# Altium PCB HYDRA_V4_POWER.PcbDoc (part 1 of 2) (continued)
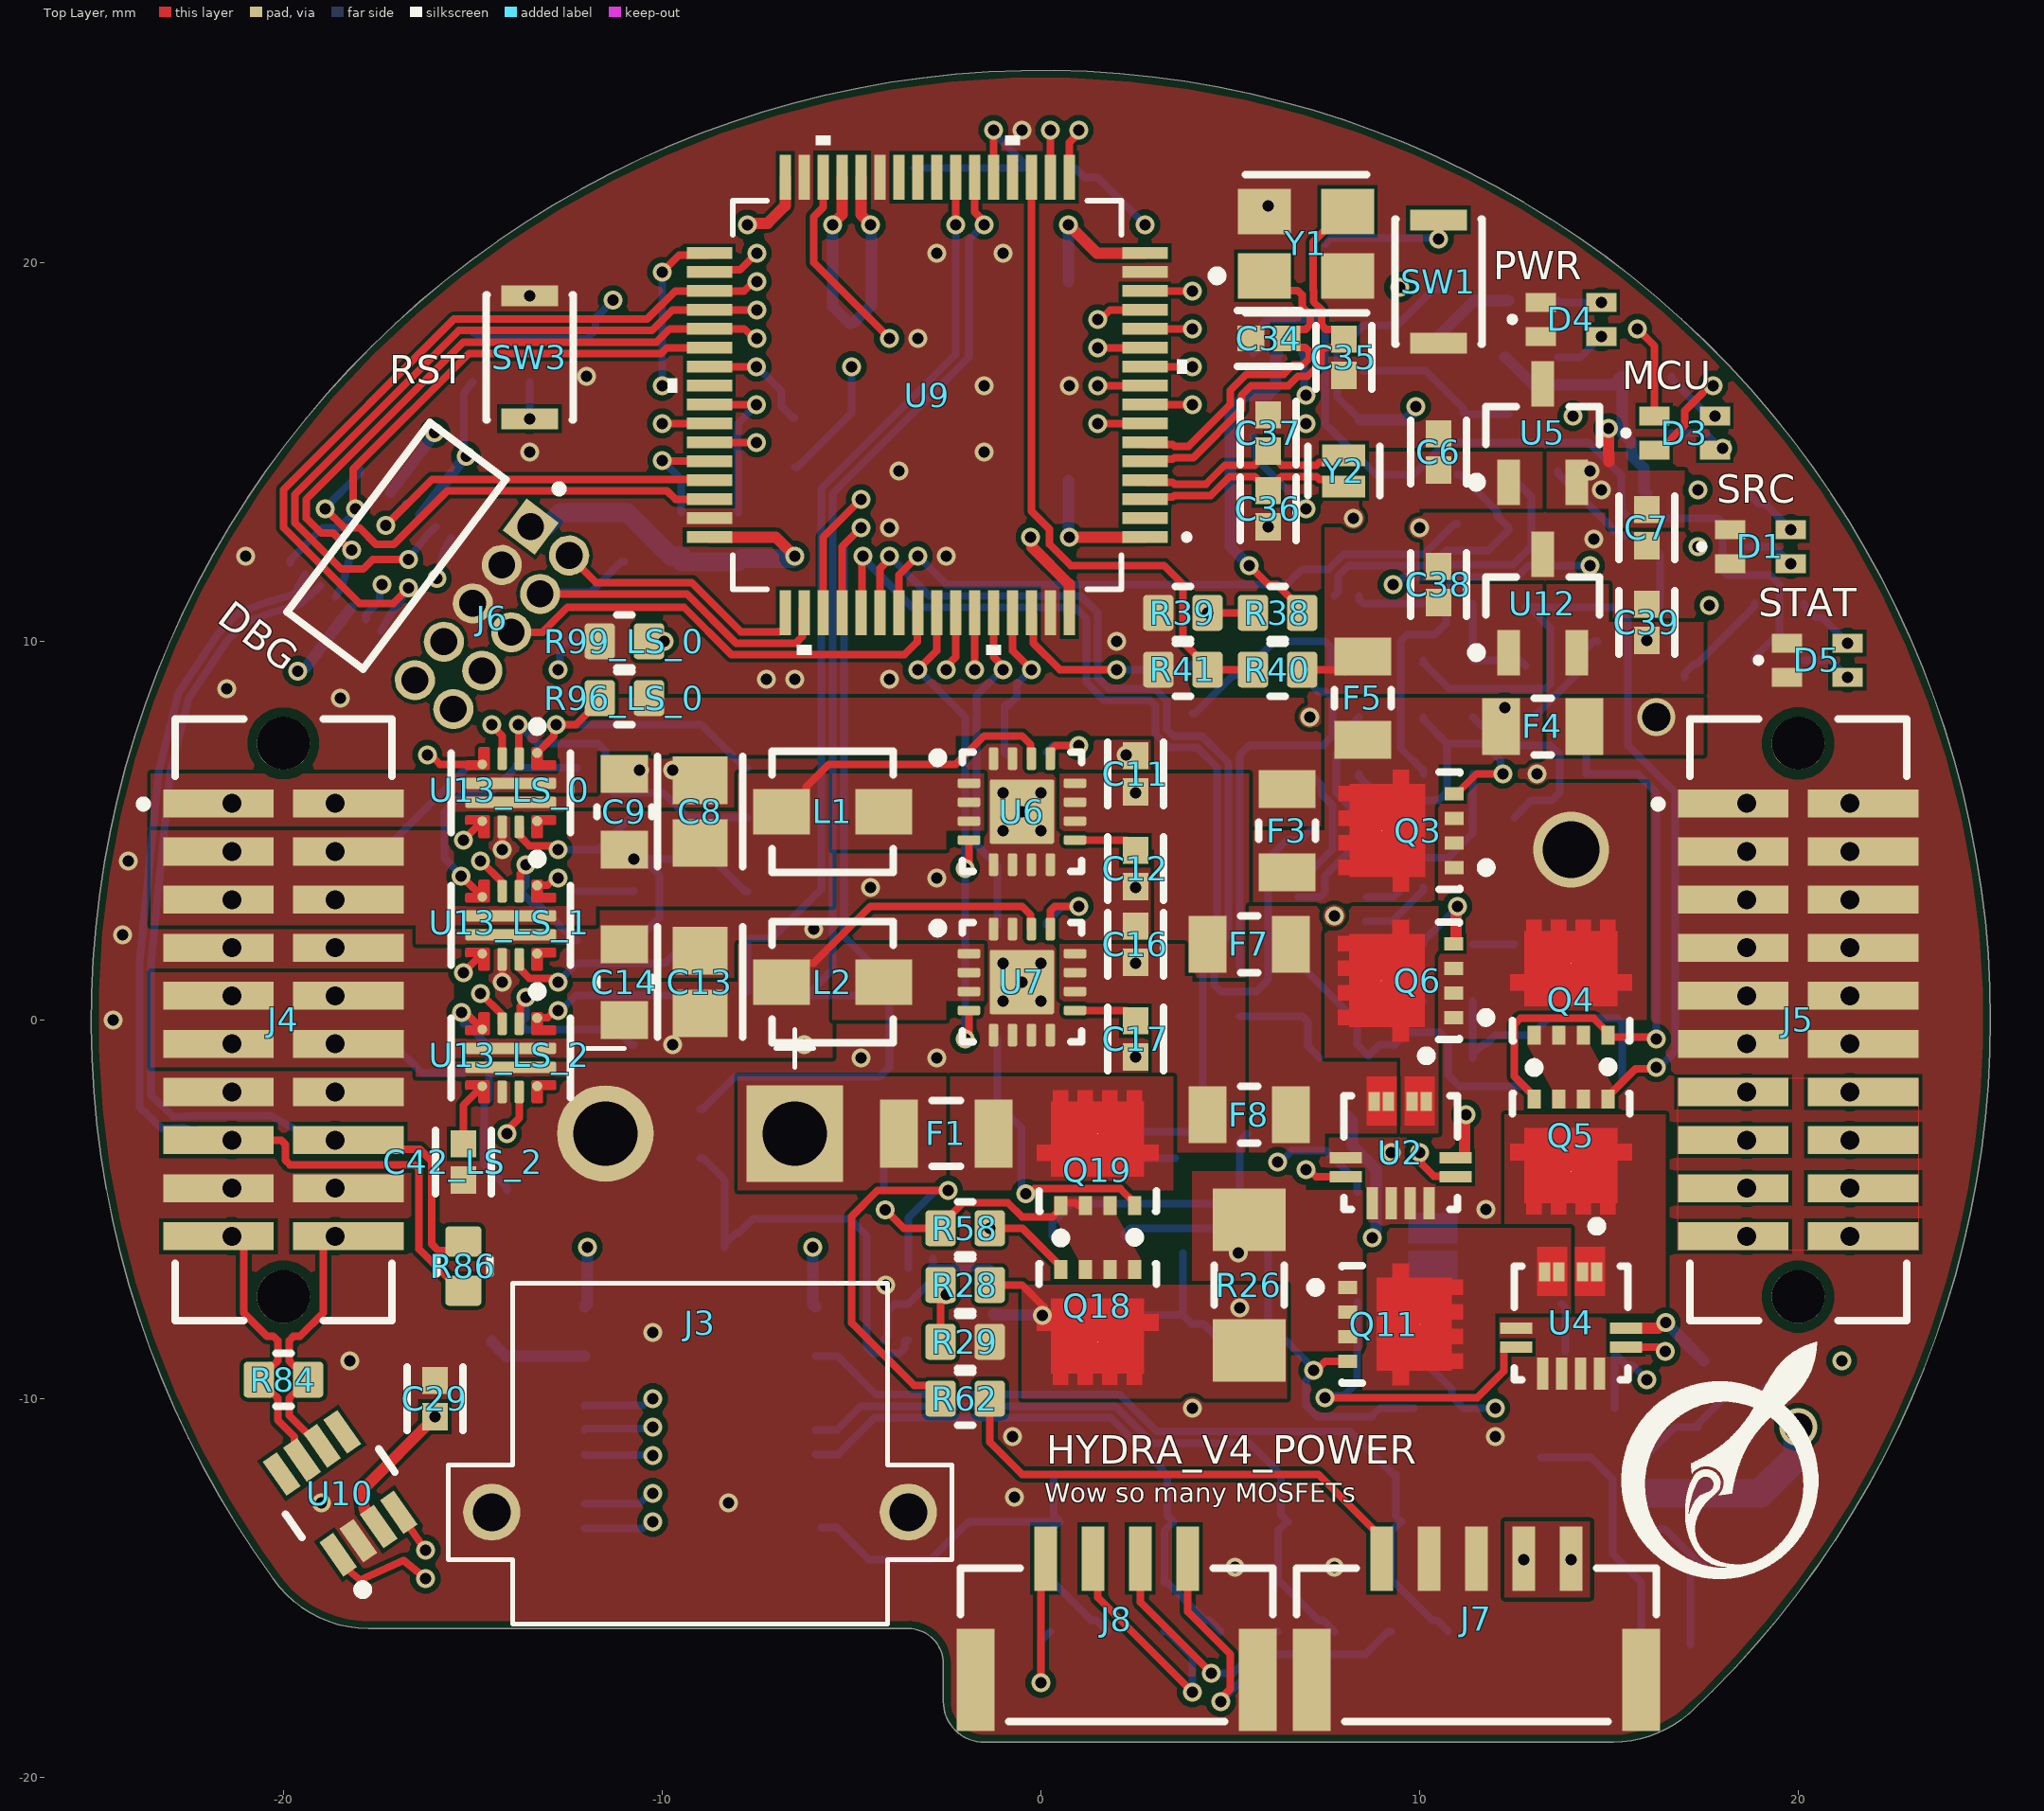
[diagram p0: Top Layer view]
## Part data (continued)
F4: library part CMP-00227-00673855-1, Ambient Temperature Range High=85°C, Case Code (Imperial)=0805, Case Code (Metric)=2012, Current Rating=100A, Hold Current=100mA, Max Power Dissipation=500mW, Max Voltage Rating (DC)=15V, Maximum Resistance 1 Hour (R1max)=6Ω, Min Operating Temperature=-40°C, Minimum Resistance Initial (Rmin)=1Ω, Trip Current=300mA, Approvals="TUV, cULus", Case/Package=0805, Height=1mm, Lead Free="Lead Free", Length=2.2mm, Lifecycle Status=Production, Max Current Rating=100A, Max Operating Temperature=85°C, Mount="Surface Mount", NexarPartId=673855, Operating Supply Voltage=15V, Packaging="Cut Tape", Power Dissipation=500mW, REACH SVHC="No SVHC", Resistance=6Ω, RoHS=Compliant, Terminal Material=Copper, Termination=SMD/SMT, Time to Trip=1.5s, Voltage Rating=15V, Voltage Rating (DC)=15V, Width=1.5mm, Working Voltage=15V
F5: library part CMP-16043-000017-1, "PTC RESET FUSE 15V 100MA 0805", Case Code (Imperial)=0805, Case Code (Metric)=2012, Hold Current=100mA, Max Current Rating=100A, Package Quantity=1, Trip Current=300mA, Case/Package=0805, Lead Free="Lead Free", Packaging="Tape and Reel", RoHS Compliant=Yes, Time to Trip=1.5s
F7 F8: library part CMP-07400-000013-1, Ambient Temperature Range High=+85°C, Ambient Temperature Range Low=-40°C, Current Rating=40A, Hold Current=0.5A, Manufacturer="Bourns Inc.", Manufacturer Part Number=MF-PSMF050X-2, Package=MF-PSMF, Resistance=0.15-0.9Ω, Temperature="-40°C to +85°C", Trip Current=1A, Voltage Rating=6V, Automotive=Yes, Category=Fuse, ComponentLink2Description=Datasheet, ComponentLink2URL=https://www.bourns.com/docs/product-datasheets/mfpsmf.pdf?sfvrsn=9c05cafe_24, Device Class L1="Circuit Protection", Device Class L2="PTC Resettable Fuses", Device Class L3=unset, Digikey Description="PTC RESET FUSE 6V 500MA 0805", Height=0.85mm, Lead Free=Yes, Mouser Description="Resettable Fuses - PPTC .50A 6V 0.15ohm Hold .5 Trip 1", Octopart=https://octopart.com/mf-psmf050x-2-bourns-7483438, RoHS=TRUE, Temperature Range High=+85°C, Temperature Range Low=-40°C, Trip Time=0.1s
FB1: library part CMP-0686-00252-4, "Chip Ferrite Bead, 0402, 600Ω @ 100MHz, 0.23Ω, 25%, 900mA", Case Code (Imperial)=0402, Case Code (Metric)=1005, Current Rating=900mA, DC Resistance (DCR)=230mR, Max Operating Temperature=125°C, Min Operating Temperature=-55°C, Package Quantity=10000, Test Frequency=100MHz, Tolerance=25%, Case/Package=0402, Height=0.5mm, Impedance=600R, Lead Free="Lead Free", Length=1mm, Material=Steel, Max Current Rating=900mA, Max DC Current=900mA, Number of Circuits=1, Number of Lines=1, Number of Pins=2, Packaging="Tape and Reel", Termination=SMD/SMT, Width=0.5mm
J1 J2: library part CMP-002-00043-1, "Board Connector, 20 Contact(s), 2 Row(s), Female, Straight, 0.05 inch Pitch, Surface Mount Terminal, Locking, Black Insulator, Socket", Connector Type="BOARD CONNECTOR", Mounting Technology=Board, RoHS Compliant=Yes
J3: library part CMP-002-00064-1
J4 J5: library part CMP-002-00042-3, "Board Connector, 20 Contact(s), 2 Row(s), Male, Straight, Surface Mount Terminal", Connector Type="BOARD CONNECTOR", Mounting Technology=Board, RoHS Compliant=Yes
J6: library part CMP-002-00041-5, "Board Connector, 10 Contact(s), 2 Row(s), Male, Right Angle, 0.05 inch Pitch, Surface Mount Terminal, Locking, Black Insulator", Connector Type="BOARD CONNECTOR", Mounting Technology=Board, RoHS Compliant=Yes
J7: library part CMP-002-00081-1, "Connector Header, GH Series, 5 Position, 1.25mm, Surface Mount, Right Angle, Tin, Natural"
J8: library part CMP-002-00080-1, "Conn Shrouded Header HDR 4 POS 1.25mm Solder RA SMD Reel"
L1 L2: library part CMP-02424-000689-1, "FIXED IND 2.2UH 3A 46 MOHM SMD", Case/Package=1212, Current Rating=3A, DC Resistance (DCR)=46mR, Inductance=2.2uH, Inductance Tolerance=20%, Max Operating Temperature=125°C, Min Operating Temperature=-55°C, Package Quantity=3000, Saturation Current=3.3A, Self Resonant Frequency=55MHz, Test Frequency=100kHz, Contact Plating=Tin, Core Material=Metal, Depth=3.2mm, Height=2mm, Height - Seated (Max)=0.079inch, Lead Free="Lead Free", Length=3.6mm, Max DC Current=3A, Military Standard=Not, Mount="Surface Mount", Number of Pins=2, Packaging="Tape and Reel", Radiation Hardening=No, Rated Current-Max=3A, RMS Current (Irms)=3A, RoHS Compliant=Yes, Series=IHLP-1212BZ-11, Shielding=Shielded, Termination=SMD/SMT, Tolerance=20%, Width=3mm
Q1 Q2 Q3 Q4 Q5 Q6 Q11 Q18 Q19: library part CMP-013-00018-2, "Trans MOSFET P-CH 20V 22.1A 8-Pin PowerPAK 1212 EP T/R", Component Type=Standard, Design Item ID=CMP-013-00036-4, Pins=5, Source=SISH615ADN-T1-GE3.SchLib
Q7 Q8 Q13 Q14: library part CMP-2000-06170-1, "P-Channel Enhancement Mode MOSFET, 310 mW, 20 V, -55 to 150 degC, 3-Pin SOT-323, RoHS, Tape and Reel", Drain-Source On Resistance-Max=750mO, Drain-to-Source Voltage [Vdss]=20V, Manufacturer="Diodes Inc", Package Description="3-Pin Small Outline Transistor, Body 2 x 1.25 mm, Pitch 0.65 mm", Package Reference=SOT323, Rated Power Dissipation=310mW, Channel Type=P-Channel, Datasheet URL=http://www.diodes.com/_files/datasheets/ds31861.pdf, Datasheet Version="Rev. 3-2, 09/2013", Manufacturer URL=http://www.diodes.com/, Mounting Technology=SurfaceMount, Qg Gate Charge=0.622nC
Q9 Q10 Q16: library part CMP-35916-000009-1, "MOSFET 2N-CH 60V 0.3A", Continuous Drain Current (ID)=300mA, Drain to Source Voltage (Vdss)=60V, Input Capacitance=40pF, Max Power Dissipation=285mW, FET Type="2 N-Channel", Mount="Surface Mount", Packaging="Tape and Reel", Rds On Max=1.5R
Q12: library part CMP-2000-05968-1, "N-Channel Enhancement Mode Mosfet, 50 V, 200 mA, -55 to 150 degC, 6-Pin SOT-323, RoHS, Tape and Reel", Id - Continuous Drain Current=200mA, Manufacturer=DiodesIncorporated, Maximum Operating Temperature=+150C, Minimum Operating Temperature=-55C, Package / Case=SOT-323-3, Package Description="3-Pin Small Outline Transistor, Body 2 x 1.25 mm, Pitch 0.65 mm", Package Reference=SOT323, Pd - Power Dissipation=200mW, Rds On - Drain-Source Resistance=1.4Ohms, Vds - Drain-Source Breakdown Voltage=75V, Vgs - Gate-Source Voltage=20V, Brand=DiodesIncorporated, Channel Mode=Enhancement, Configuration=Single, Datasheet URL=http://www.diodes.com/_files/datasheets/ds30206.pdf, Datasheet Version="Rev. 11-2, 09/2013", Factory Pack Quantity=3000, Forward Transconductance - Min=0.1S, Height=1mm, Length=2.2mm, Manufacturer URL=http://www.diodes.com/, Mounting Style=SMD/SMT, Mounting Technology=SurfaceMount, Number of Channels=1Channel, Packaging=Reel, Product=MOSFETSmallSignal, Product Category=MOSFET, RoHS=True, Series=BSS138, Technology=Si, Transistor Polarity=N-Channel, Transistor Type=1N-Channel, Type=EnhancementModeFieldEffectTransistor, Typical Turn-Off Delay Time=20ns, Typical Turn-On Delay Time=20ns, Unit Weight=0.000212oz, Width=1.35mm
Q15: library part CMP-2000-04939-1, "Dual N & P-Channel 2.5 V Specified PowerTrench(TM) MOSFET, -55 to 150 degC, 6-Pin SOT-23, RoHS, Tape and Reel", Manufacturer=Fairchild, Maximum Continuous Drain Current=2.7@NChannel, Maximum Drain Source Voltage=20V, Maximum Gate Source Voltage=±8V, Operating Temperature=-55to150degC, Package=6SuperSOT, Package Description="6-Pin Small Outline Transistor, Body 2.9 x 1.6 mm, Pitch 0.95 mm", Package Reference=SOT23-6, Package Version="Rev. 5, 05/2015", Category=MOSFET, Channel Mode=Enhancement, Channel Type=N, Datasheet URL=https://www.fairchildsemi.com/datasheets/FD/FDC6327C.pdf, Datasheet Version="Rev. E, 07/2000", Manufacturer URL=https://www.fairchildsemi.com/, Mounting=SurfaceMount, Package URL=https://www.fairchildsemi.com/package-drawings/MA/MA06A.pdf, Packaging=Tape&Reel, Rad Hard=No, RDS-on=80@4.5V@NChannel, Typical Fall Time=3@NChannel, Typical Rise Time=9@NChannel, Typical Turn-Off Delay Time=12@NChannel, Typical Turn-On Delay Time=5@NChannel
R1 R2 R3 R4 R5 R6 R7 R8 R9 R10 R11 R12 R13 R14 R15 R16 R17 R18 R19 R20 R21 R22 R23 R24 R25 R27 R28 R29 R30 R31 R32 R33 R34 R35 R36 R37 R38 R39 R40 R41 R42 R43 R45 R46 R47 R48 R49 R51 R52 R53 R54 R55 R56 R57 R58 R59 R60 R61 R62 R63 R64 R65 R66 R67 R68 R69 R70 R71 R72 R73 R74 R75 R76 R83 R84 R85 R86 R87 R88 R89 R93 R95 R96_LS_0 R96_LS_1 R96_LS_2 R97_LS_0 R97_LS_1 R97_LS_2 R98_LS_0 R98_LS_1 R98_LS_2 R99_LS_0 R99_LS_1 R99_LS_2 R100_LS_0 R100_LS_1 R100_LS_2 R101_LS_0 R101_LS_1 R101_LS_2 R102_LS_0 R102_LS_1 R102_LS_2: library part CMP-009-00002-14, "Resistor"
R26: library part CMP-2003-04373-2, "RES 0.01 OHM 1% 1W 1206", Case Code (Imperial)=1206, Case Code (Metric)=3216, Max Operating Temperature=170°C, Max Power Dissipation=1W, Min Operating Temperature=-65°C, Package Quantity=1, Resistance=10mR, Resistance Tolerance=1%, Resistor Type="Metal Strip", Temperature Coefficient=75ppm/°C, Case/Package=1206, Construction=Rectangular, Contact Plating=Tin, Depth=1.6mm, Features="Moisture Resistant", Height=0.035inch, Lead Free="Lead Free", Length=3.2mm, Military Standard=Not, Mount="Surface Mount", Number of Pins=2, Number of Terminations=2, Packaging="Tape and Reel", Power Rating=1W, Radiation Hardening=No, RoHS Compliant=Yes, Series=WSLP, Size Code=1206, Termination=SMD/SMT, Tolerance=1%, Weight=0.000571oz, Width=0.063inch
SW1 SW3: library part CMP-10040-000029-1, "SWITCH TACTILE SPST-NO 0.02A 15V", Current Rating=5A, Flammability Rating="UL94 V-0", Insulation Color=Black, Max Operating Temperature=85°C, Min Operating Temperature=-40°C, Operating Force=240gf, Actuator Type=Standard, Connector Type=USB, Contact Plating=Gold, Gender=Receptacle, Illumination Type=Non-Illuminated, Mechanical Life=500000Cycles, Mount="Surface Mount", Number of Contacts=24, Number of Ports=1, Packaging="Tape and Reel", Switch Function=Off-Mom, Switch Travel=0.13mm, Termination=Solder, Throw Configuration=SPST
U1 U2: library part CMP-1557-00001-1, "Hall Effect Linear Current Sensor with Overcurrent Fault Output for <100 V Isolation Applications, 3 to 5.5 V, -15.5 to 15.5 A IP, -40 to 125 degC, 12-Pin QFN (EX), RoHS, Tape and Reel", Temperature Max="125 degC", Temperature Min="-40 degC", -3db Bandwidth="0.1 MHz", ComponentLink1Description="Manufacturer URL", ComponentLink1URL=http://www.allegromicro.com/, ComponentLink2Description=Datasheet, ComponentLink2URL=http://www.allegromicro.com/~/media/Files/Datasheets/ACS711-Datasheet.ashx?la=en, ComponentLink3Description="Package Specification", ComponentLink3URL=http://www.allegromicro.com/~/media/Files/Datasheets/ACS711-Datasheet.ashx?la=en, DatasheetVersion="Rev. 3", IP Max="15.5 A", IP Min="-15.5 A", Mounting Technology="Surface Mount", PackageDescription="12-Pin Quad Flat No-Lead, Body 3 x 3 mm, Height 0.8 mm", Packing="Tape and Reel", PartNumber=ACS711KEXLT-15AB-T, RoHS=TRUE, VCC Max="5.5 V", VCC Min="3 V"
U3: library part CMP-04896-000098-1, "40V, RAIL-TO-RAIL INPUT, PUSH-PU"
U4: library part CMP-1557-00002-1, "Hall Effect Linear Current Sensor with Overcurrent Fault Output for <100 V Isolation Applications, 3 to 5.5 V, -31 to 31 A IP, -40 to 125 degC, 12-Pin QFN (EX), RoHS, Tape and Reel", Temperature Max="125 degC", Temperature Min="-40 degC", -3db Bandwidth="0.1 MHz", ComponentLink1Description="Manufacturer URL", ComponentLink1URL=http://www.allegromicro.com/, ComponentLink2Description=Datasheet, ComponentLink2URL=http://www.allegromicro.com/~/media/Files/Datasheets/ACS711-Datasheet.ashx?la=en, ComponentLink3Description="Package Specification", ComponentLink3URL=http://www.allegromicro.com/~/media/Files/Datasheets/ACS711-Datasheet.ashx?la=en, DatasheetVersion="Rev. 3", IP Max="31 A", IP Min="-31 A", Mounting Technology="Surface Mount", PackageDescription="12-Pin Quad Flat No-Lead, Body 3 x 3 mm, Height 0.8 mm", Packing="Tape and Reel", PartNumber=ACS711KEXLT-31AB-T, RoHS=TRUE, VCC Max="5.5 V", VCC Min="3 V"
U5: library part CMP-019-00039-1, "LDO Regulator Pos 3.3V 0.3A 3-Pin SOT-23 T/R"
U6: library part CMP-0323-00146-3, "Buck Step Down Regulator with 3 to 17 V Input and 5 V Output, -40 to 85 degC, 16-Pin QFN (RGT), Green (RoHS & no Sb/Br)", Manufacturer="Texas Instruments", Rating=Catalog, Switch Current Limit(Typ)(A)=4.2, Code_JEDEC=MO-220, ComponentLink1Description=Datasheet, ComponentLink1URL=http://www.ti.com/general/docs/lit/getliterature.tsp?genericPartNumber=TPS62133&fileType=pdf, ComponentLink2Description="Package Specification", ComponentLink2URL=http://www.ti.com/litv/pdf/mpqf119g, ComponentLink3Description="URL Link1", ComponentLink3URL="Samples URL:http://www.ti.com/product/tps62133#samples", DatasheetVersion=SLVSAG7, Duty Cycle(Max)(%)=100, Eco-Plan="Green (RoHS & no Sb/Br)", Iout(Max)(A)=3, Iq(Typ)(mA)=0.017, Mounting Technology="Surface Mount", PackageDescription="16-Pin Plastic Quad Flat No-Lead, 3 x 3 mm Body, 0.5 mm Pitch, 1.7 x 1.7 mm Exposed Pad", PackageReference=RGT0016C, PackageVersion="revH, Oct-2011", PartNumber=TPS62133RGTR, Preset Vout(V)=5, Regulated Outputs(#)=1, SubFamily="Step-Down Regulator", Synchronous Rectification=TRUE, Topology=Buck, Vin(Max)(V)=17, Vin(Min)(V)=3, Vout(Max)(V)=5, Vout(Min)(V)=5
U7: library part CMP-0323-00152-3, "Buck Step Down Regulator with 3 to 17 V Input and 3.3 V Output, -40 to 85 degC, 16-Pin QFN (RGT), Green (RoHS & no Sb/Br)", Manufacturer="Texas Instruments", Rating=Catalog, Switch Current Limit(Typ)(A)=4.2, Code_JEDEC=MO-220, ComponentLink1Description=Datasheet, ComponentLink1URL=http://www.ti.com/general/docs/lit/getliterature.tsp?genericPartNumber=TPS62132&fileType=pdf, ComponentLink2Description="Package Specification", ComponentLink2URL=http://www.ti.com/litv/pdf/mpqf119g, ComponentLink3Description="URL Link1", ComponentLink3URL="Samples URL:http://www.ti.com/product/tps62132#samples", DatasheetVersion=SLVSAG7, Duty Cycle(Max)(%)=100, Eco-Plan="Green (RoHS & no Sb/Br)", Iout(Max)(A)=3, Iq(Typ)(mA)=0.017, Mounting Technology="Surface Mount", PackageDescription="16-Pin Plastic Quad Flat No-Lead, 3 x 3 mm Body, 0.5 mm Pitch, 1.7 x 1.7 mm Exposed Pad", PackageReference=RGT0016C, PackageVersion="revH, Oct-2011", PartNumber=TPS62132RGTR, Preset Vout(V)=3.3, Regulated Outputs(#)=1, SubFamily="Step-Down Regulator", Synchronous Rectification=TRUE, Topology=Buck, Vin(Max)(V)=17, Vin(Min)(V)=3, Vout(Max)(V)=3.3, Vout(Min)(V)=3.3
U8: library part CMP-0859-00482-4, "IC GATE AND 1CH 3-INP SC70-6", Ambient Temperature Range High=+125°C, Ambient Temperature Range Low=-40°C, Manufacturer="Texas Instruments", Max Junction Temp=+150°C, Max Supply Voltage=5.5V, Min Supply Voltage=1.5V, Nominal Supply Current=10uA, Package=DCK0006A, Temperature="-40°C to +125°C", Automotive=No, Category=IC, ComponentLink2Description=Datasheet, ComponentLink2URL=http://www.ti.com/lit/ds/symlink/sn74lvc1g11.pdf, Device Class L1="Integrated Circuits (ICs)", Device Class L2="Logic ICs", Device Class L3="Logic Gates", Digikey Description="IC GATE AND 1CH 3-INP SC70-6", Height=1.1mm, Lead Free=Yes, Logic Function Desc=Non-Inverting, Manufacturer Part Number=SN74LVC1G11DCKR, Mouser Description="Logic Single 3-Input And Gate, 3.5ns, Sc70-6, Full Reel", Number of Circuits=1, Number Of Inputs=3, Number of Outputs=1, Octopart=https://octopart.com/sn74lvc1g11dckr-texas+instruments-464959, Propagation Delay=4.6ns, RoHS=TRUE, Standoff Height=0mm, Temperature Range High=+125°C, Temperature Range Low=-40°C
U9: library part CMP-020-00020-2, "MCU 32-Bit STM32 ARM Cortex-M4 RISC 512KB Flash 1.71V to 3.6V 64-Pin LQFP T/R", RoHS Compliant=Yes
U10: library part CMP-04872-000178-1, "IC TRANSCEIVER 1/1 SOT23-8", Case/Package=SOT-23-8, Max Operating Temperature=125°C, Min Operating Temperature=-40°C, Data Rate=1Mbps, Lead Free="Lead Free", Mount="Surface Mount", Packaging="Tape and Reel", RoHS Compliant=Yes
U11: library part CMP-318-000000-2, "Automotive CAN FD transceiver with watchdog, bus diagnostics and partial networking via sele 14-SOT-23-THIN -40 to 150", Component Type=Standard, Design Item ID=CMP-015-00012-2, Pin Count=14, Source=TCAN1146DYYRQ1.SchLib
U12: library part CMP-019-00041-1, "Ldo Cmos Lowcurr SOT23 T&r 3K"
U13_LS_0 U13_LS_1 U13_LS_2: library part CMP-04910-000122-1, "2.7-V TO 23-V, 5.5-A IDEAL DIODE", RoHS Compliant=Yes
U14: library part CMP-015-00014-2, "Automotive 16-bit, 32-kSPS, four-channel, simultaneous-sampling, delta-sigma ADC 20-TSSOP -40 to 125"
Y1: library part CMP-2000-05733-3, "Crystal 25MHz ±20ppm (Tol) ±30ppm (Stability) 18pF FUND 60Ω 4-Pin SMD T/R", Case/Package=CSMD, ESR (Equivalent Series Resistance)=60R, Frequency=25MHz, Frequency Stability=30ppm, Frequency Tolerance=20ppm, Load Capacitance=18pF, Max Operating Temperature=85°C, Min Operating Temperature=-40°C, Operating Frequency="25 MHz", Package Quantity=1000, Depth=2.5mm, Height=0.039inch, Lead Free="Lead Free", Length=3.2mm, Mount="Surface Mount", Number of Pins=4, Packaging="Tape and Reel", Radiation Hardening=No, Series=ABM8G, Series Resistance=60R, Termination=SMD/SMT, Tolerance=20ppm, Width=0.098inch
Y2: library part CMP-40224-000006-1, "CRYSTAL 32.7680KHZ 12.5PF SMD", Frequency=32.768kHz, Load Capacitance=12.5pF, Manufacturer="ECS International", Package=ECX-1210, Temperature="-40°C to +85°C", Temperature Range High=+85°C, Temperature Range Low=-40°C, Tolerance=20ppm, Automotive=No, Category=Crys, ComponentLink2Description=Datasheet, ComponentLink2URL=https://ecsxtal.com/store/pdf/ECX-1210.pdf, Device Class L1="Passive Components", Device Class L2="Crystals / Oscillators", Device Class L3=Crystals, Digikey Description="CRYSTAL 32.7680KHZ 12.5PF SMD", ESR=90kΩ, Height=0.5mm, Lead Free=Yes, Manufacturer Part Number=ECS-.327-12.5-1210-TR, Octopart=https://octopart.com/ecs-.327-12.5-1210-tr-ecs+international-81221340, RoHS=TRUE, Series=ECX-1210

## Via types
v1: diameter 0.5, hole 0.3, Top Layer to Bottom Layer, tented both sides, 221 vias
v2: diameter 0.7, hole 0.5, Top Layer to Bottom Layer, tented both sides, 40 vias
v3: diameter 1, hole 0.75, Top Layer to Bottom Layer, tented both sides, 2 vias
v4: diameter 2, hole 1.5, Top Layer to Bottom Layer, tented both sides, 1 vias

## Nets (pads, with @x,y where several pads share a name; then routed paths per layer and width w, separated by ;. In a path a pad name is that pad's centre, name@x,y a point inside that pad or via, vN(x,y) a via of type N, cw(c..) or ccw(c..) an arc to the next point about the centre after c; other vN are vias at no path point)
3V3_EN: R6.1 R53.2 U9.60 | length 8.9
  Top Layer w0.2: U9.60@-1.25,10.75 -1.25,9.581 -1,9.331 v1(-1,9.25)
  Bottom Layer w0.2: R53.2@-1.15,2.5 R6.1@-1.15,4 -1.15,4.075 -1.698,4.623 -1.698,8.569 -1.018,9.25 v1(-1,9.25)
5V_EN: R2.1 R52.2 U9.61 | length 4.3
  Top Layer w0.2: U9.61@-0.75,10.75 -0.75,9.75 v1(-0.25,9.25)
  Bottom Layer w0.2: R2.1@-0.96,8.272 -0.96,7.06 R52.2@-0.9,7 ; R2.1@-0.894,8.347 R2.1@-0.894,8.272 -0.641,8.525 -0.641,8.859 v1(-0.25,9.25)
5V_INT: C30.1 C39.1 R24.2 U11.3 U12.2 | length 51.1
  GND+SIG w0.3: v1(-16.008,15.512) -15.954,15.512 -15.617,15.848 -15.381,15.848 -9.329,21.9 2.128,21.9 4.779,19.248 8.7,19.248 9.3,18.648 9.3,15.822 9.996,15.127 14.76,15.127 16.836,13.05 17.578,13.05 18.198,12.429 18.198,11.179 18.2,11.178 18.2,10.722 17.499,10.021 v1(16,10.021)
  Bottom Layer w0.2: R24.2@0.9,22.5 R24.2@0.9,22.5 1.15,22.249 1.501,22.249 v1(2.75,21)
  Bottom Layer w0.3: U11.3@-17.169,13.936 -16.967,14.208 -16.105,15.352 v1(-16.008,15.512)
ADC_MISO: U9.36 U11.6 U14.15 | length 52.9
  Top Layer w0.2: v1(-16.698,12.153) -17.647,12.153 -17.897,11.903 -18.476,11.903 -19.698,13.125 -19.698,13.875 -15.37,18.203 -10.27,18.203 -9.723,18.75 U9.36@-8.75,18.75 v1(-7.5,18.75)
  PWR+SIG w0.2: v1(-10.25,-10.75) -8.923,-9.423 -8.923,12.677 -6.705,14.895 -6.705,17.955 v1(-7.5,18.75)
  Bottom Layer w0.2: v1(-16.698,12.153) -16.245,12.753 U11.6@-15.97,13.033 ; U14.15@-12.05,-10.825 -12.013,-10.787 -10.288,-10.787 v1(-10.25,-10.75)
ADC_MOSI: U9.37 U11.11 U14.16 | length 48.6
  Top Layer w0.2: v1(-18.198,12.403) -18.229,12.403 -18.682,12.855 -19.002,12.855 -19.397,13.25 -19.397,13.75 -15.245,17.902 -10.145,17.902 -9.797,18.25 U9.37@-8.75,18.25 -7.831,18.25 -7.581,18 v1(-7.5,18)
  PWR+SIG w0.2: v1(-10.25,-10) -9.225,-8.975 -9.225,12.818 -7.006,15.036 -7.006,17.506 v1(-7.5,18)
  Bottom Layer w0.2: U11.11@-18.627,11.17 -18.434,11.513 v1(-18.198,12.403) ; U14.16@-12.05,-10.175 -10.506,-10.175 -10.331,-10 v1(-10.25,-10)
ADC_SCLK: U9.35 U11.8 U14.14 | length 56.3
  Top Layer w0.2: v1(-16.698,11.403) -17.101,11 -18,11 -20,13 -20,14 -15.495,18.505 -10.395,18.505 -9.65,19.25 U9.35@-8.75,19.25 -7.831,19.25 -7.581,19.5 v1(-7.5,19.5)
  PWR+SIG w0.2: v1(-10.25,-11.5) -8.622,-9.872 -8.622,12.552 -6.403,14.77 -6.403,18.403 v1(-7.5,19.5)
  Bottom Layer w0.2: U11.8@-17.428,10.267 -17.236,10.61 v1(-16.698,11.403) ; U14.14@-12.05,-11.475 -12.038,-11.487 -10.263,-11.487 v1(-10.25,-11.5)
AIN0P: C47.1 D7.1 R63.1 R64.1 U14.3 | length 21.7
  Bottom Layer w0.2: U14.3@-5.95,-8.875 -5.375,-8.875 -4.353,-9.897 2.09,-9.897 3.065,-10.872 8.172,-10.872 D7.1@9.32,-12.02 ; D7.1@9.34,-12 9.38,-12 9.38,-13.109 C47.1@9.521,-13.25 ; C47.1@9.5,-13.25 9.264,-13.486 9.264,-14.836 R63.1@9.25,-14.85 9.325,-14.85 10.325,-15.85 10.45,-15.85 R64.1@10.75,-16.15
AIN1P: C48.1 D8.1 R65.1 R66.1 U14.6 | length 18.4
  Bottom Layer w0.2: U14.6@-5.95,-10.825 -5.375,-10.825 -4.748,-10.198 1.965,-10.198 2.94,-11.173 5.513,-11.173 6.2,-11.86 6.2,-11.9 6.3,-12 D8.1@6.34,-12 6.34,-13.069 C48.1@6.521,-13.25 ; C48.1@6.5,-13.25 6.264,-13.486 6.264,-14.836 R65.1@6.25,-14.85 6.325,-14.85 7.325,-15.85 7.45,-15.85 R66.1@7.75,-16.15
AIN2P: C49.1 D9.1 R71.1 R72.1 U14.7 | length 15.4
  Bottom Layer w0.2: U14.7@-5.95,-11.475 -5.358,-11.475 -4.383,-10.5 1.84,-10.5 3.2,-11.86 3.2,-11.9 3.3,-12 D9.1@3.34,-12 3.34,-13.09 3.5,-13.25 3.264,-13.486 3.264,-14.836 R71.1@3.25,-14.85 3.325,-14.85 4.325,-15.85 4.45,-15.85 R72.1@4.75,-16.15
AIN3P: C50.1 D10.1 R73.1 R74.1 U14.10 | length 12.1
  Bottom Layer w0.2: U14.10@-5.8,-13.4 -5.4,-13.4 -4.55,-14.25 -2.904,-14.25 -1.904,-13.25 C50.1@0.5,-13.25 ; D10.1@0.34,-12 0.34,-13.09 C50.1@0.5,-13.25 ; R74.1@1.75,-16.15 1.45,-15.85 1.325,-15.85 0.325,-14.85 R73.1@0.25,-14.85 0.264,-14.836 0.264,-13.486 C50.1@0.5,-13.25
BATT_PWR: F1.1 J3.P
CAN0_N: J1.16 J4.16 R86.1 U11.12 | length 26.5
  Top Layer w0.2: v2(-18.635,-3.175) -18.396,-3.414 -16.396,-3.414 -16.085,-3.726 -16.085,-5.92 -15.908,-6.097 -15.497,-6.097 R86.1@-15.25,-5.85
  Bottom Layer w0.2: -21.03,10.47 -21.486,10.014 ccw(c-21.344,9.873) -21.51,9.984 -22.481,8.529 ccw(c-22.314,8.419) -22.508,8.467 -22.996,6.514 ccw(c-22.802,6.466) -23.001,6.487 -23.499,1.51 ccw(c-23.3,1.49) -23.5,1.491 -23.5,-1.991 -22.907,-2.552 -22.425,-2.525 -20.349,-2.525 -19.645,-2.905 v2(-18.635,-3.175) ; -21.029,10.47 cw(c-20.888,10.328) -20.959,10.515 -20.348,10.741 cw(c-20.278,10.554) -20.335,10.745 -19.676,10.938 ccw(c-19.817,11.42) -19.417,11.118 cw(c-19.257,10.997) -19.302,11.192 U11.12@-19.026,11.471
CAN0_P: J1.15 J4.15 R86.2 U11.13 | length 27.8
  Top Layer w0.2: v2(-21.365,-3.175) -20.064,-3.175 -19.947,-3.292 -19.947,-3.708 -19.829,-3.825 -16.534,-3.825 -16.417,-3.942 -16.417,-6.058 -15.325,-7.15 R86.2@-15.25,-7.15
  Bottom Layer w0.2: -23.799,1.539 ccw(c-23.3,1.49) -23.802,1.492 -23.802,-2.309 -23.208,-2.871 -22.66,-2.84 -22.456,-2.905 -22.375,-2.905 -22.29,-2.905 v2(-21.365,-3.175) ; -23.799,1.54 -23.301,6.517 cw(c-22.802,6.466) -23.289,6.587 -22.8,8.541 cw(c-22.314,8.419) -22.734,8.693 cw(c-22.481,8.529) -22.732,8.696 -21.761,10.152 cw(c-21.344,9.873) -21.702,10.225 cw(c-21.486,10.014) -21.699,10.227 -21.243,10.683 cw(c-20.888,10.328) -21.068,10.796 cw(c-20.959,10.515) -21.063,10.798 -20.451,11.024 cw(c-20.278,10.554) -20.424,11.033 cw(c-20.335,10.745) -20.42,11.035 -19.761,11.228 ccw(c-19.817,11.42) -19.658,11.299 ccw(c-19.817,11.42) -19.618,11.43 U11.13@-19.425,11.772
CAN1_N: J1.20 J4.20 R84.1 U10.6 | length 7.1
  Top Layer w0.2: U10.6@-18.979,-11.249 -19.048,-11.249 -19.849,-10.447 -19.849,-9.992 -19.732,-9.875 -19.65,-9.875 -19.35,-9.575 R84.1@-19.35,-9.5 -19.35,-9.425 -19.65,-9.125 -19.732,-9.125 -19.849,-9.008 -19.849,-8.638 -19.849,-8.472 -19.732,-8.355 -19.565,-8.355 -18.95,-7.74 -18.95,-5.985 -18.685,-5.72 J4.20@-18.635,-5.72
  other v2: -18.635,-5.715
CAN1_P: J1.19 J4.19 R84.2 U10.7 | length 7.2
  Top Layer w0.2: J4.19@-21.365,-5.72 -21.315,-5.72 -21.05,-5.985 -21.05,-7.74 -20.435,-8.355 -20.268,-8.355 -20.151,-8.472 -20.151,-8.763 -20.151,-9.008 -20.268,-9.125 -20.35,-9.125 -20.65,-9.425 R84.2@-20.65,-9.5 ; R84.2@-20.65,-9.575 -20.35,-9.875 -20.268,-9.875 -20.151,-9.992 -20.151,-10.572 -19.712,-11.011 -19.712,-11.421 U10.7@-19.512,-11.622
  other v2: -21.365,-5.715
CELL_0_IN: J8.1 R73.2 | length 4.8
  Top Layer w0.2: v1(0,-17.5) 0,-14.35 J8.1@0.125,-14.225
  Bottom Layer w0.2: v1(0,-17.5) 0,-16.4 R73.2@0.25,-16.15
CELL_1_IN: J8.2 R71.2 | length 6.6
  Top Layer w0.2: J8.2@1.375,-14.225 1.508,-14.358 1.508,-15.258 v1(4,-17.75)
  Bottom Layer w0.2: R71.2@3.25,-16.15 3.325,-16.15 4,-16.825 v1(4,-17.75)
CELL_2_IN: J8.3 R65.2 | length 6
  Top Layer w0.2: J8.3@2.625,-14.225 2.625,-15.375 v1(4.5,-17.25)
  Bottom Layer w0.2: v1(4.5,-17.25) 5.075,-17.25 6.175,-16.15 R65.2@6.25,-16.15
CELL_3_IN: J8.4 R63.2 | length 9.6
  Top Layer w0.2: J8.4@3.875,-14.225 3.875,-15.625 5,-16.75 5,-17.669 4.75,-17.919 v1(4.75,-18)
  Bottom Layer w0.2: v1(4.75,-18) 5.198,-17.552 5.2,-17.552 6,-16.752 8.573,-16.752 9.175,-16.15 R63.2@9.25,-16.15